# Altium PCB HACK_LINK_V1_new_power.PcbDoc (part 1 of 6) (continued)
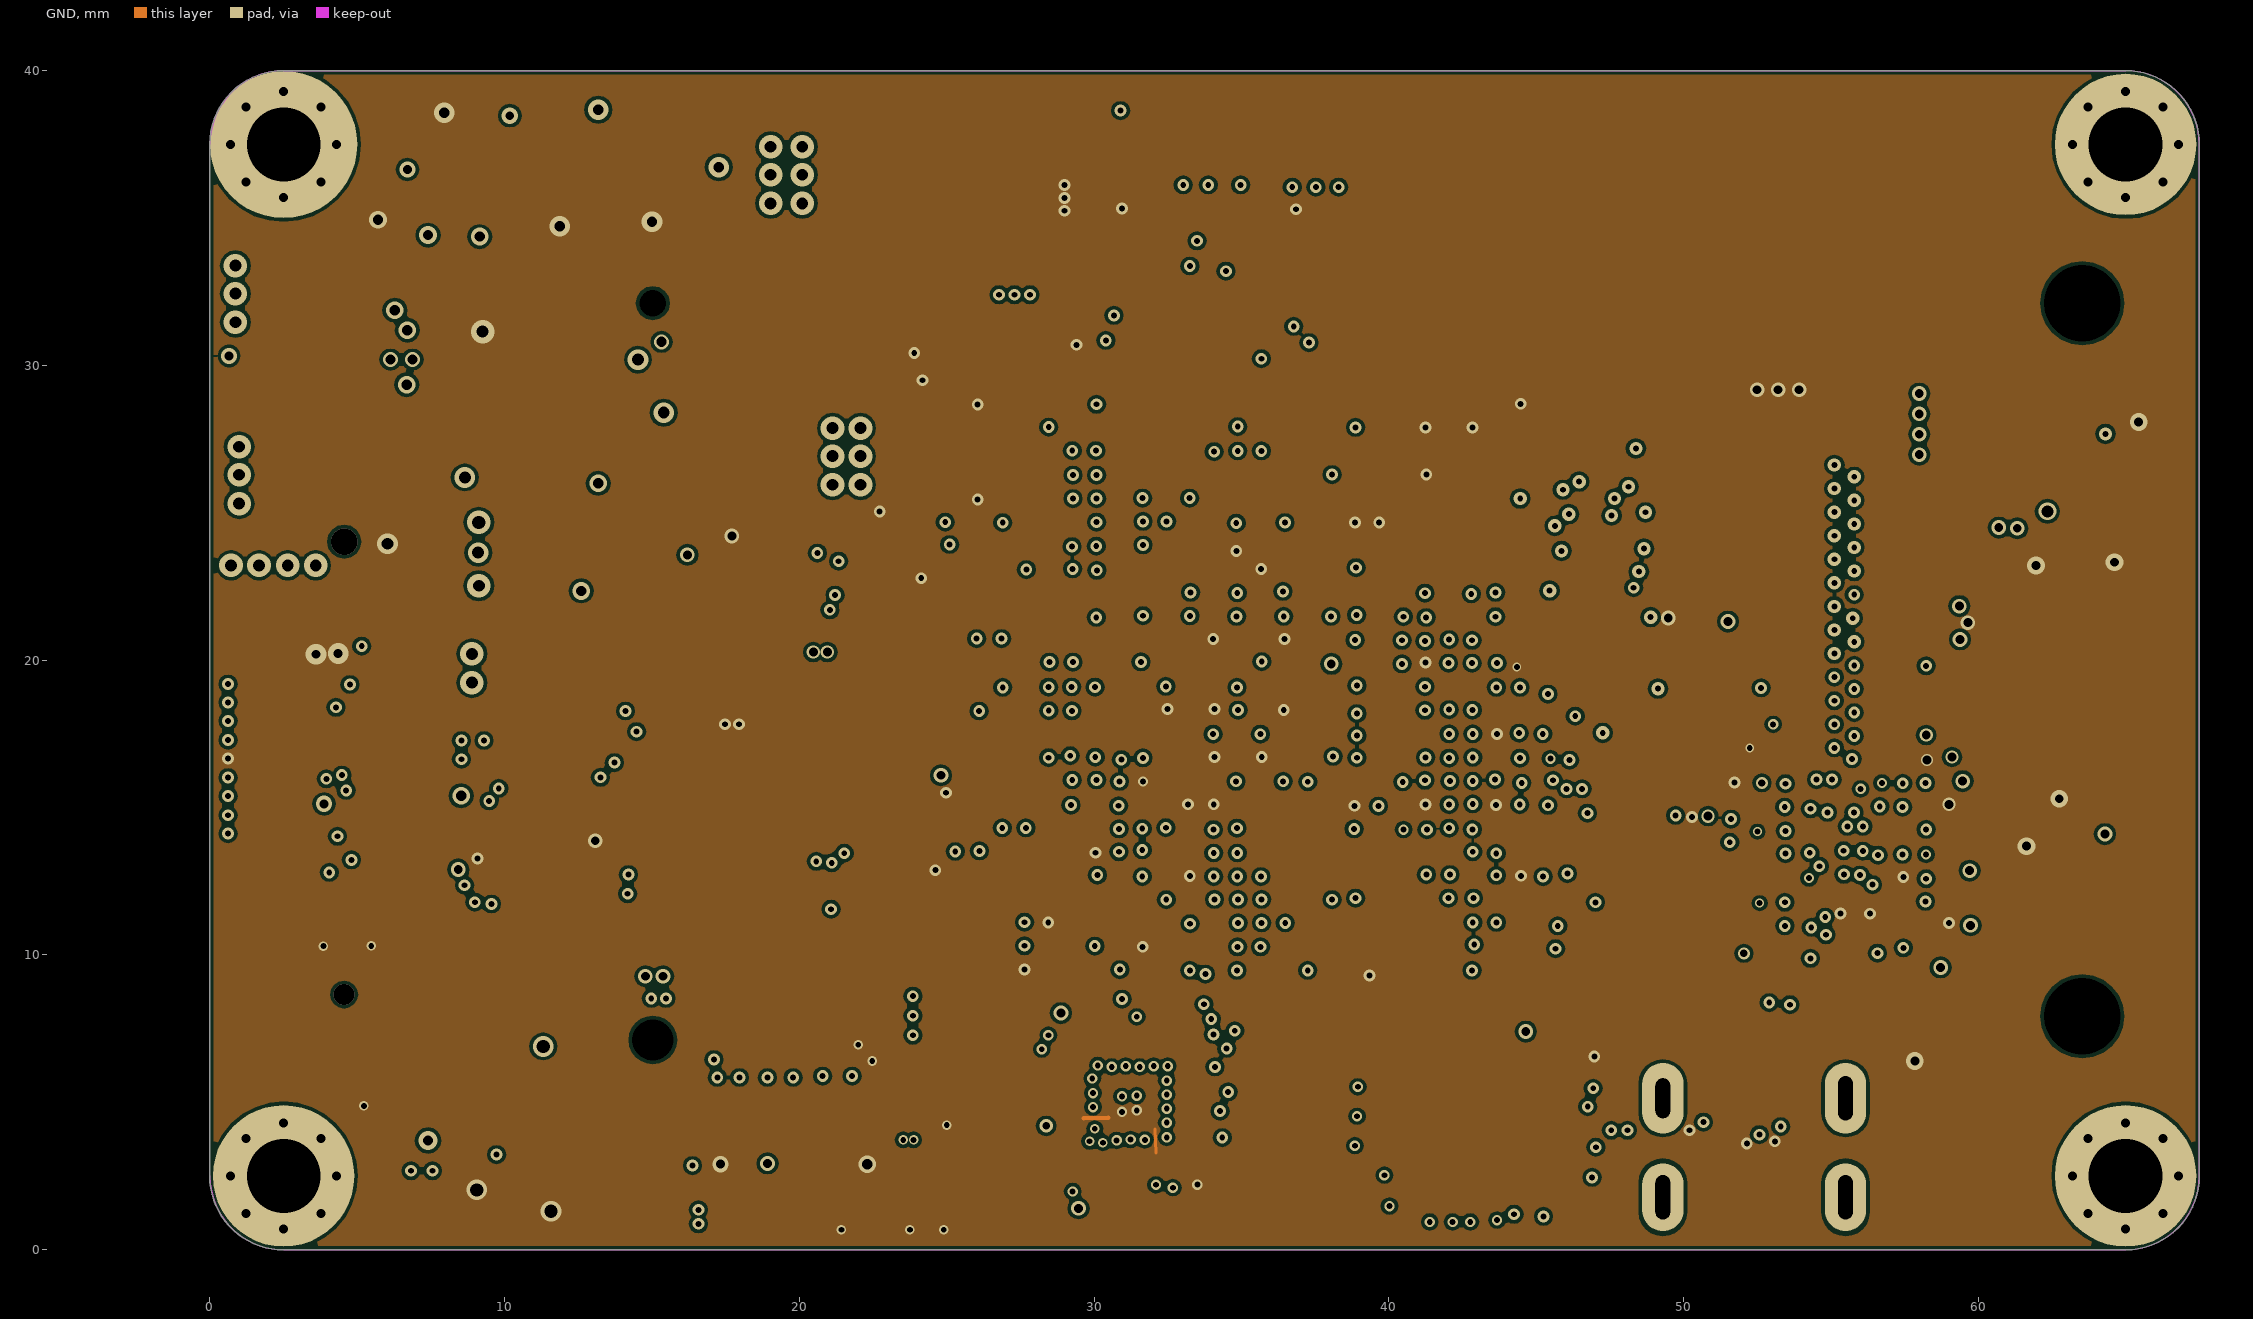
[diagram p4: GND]
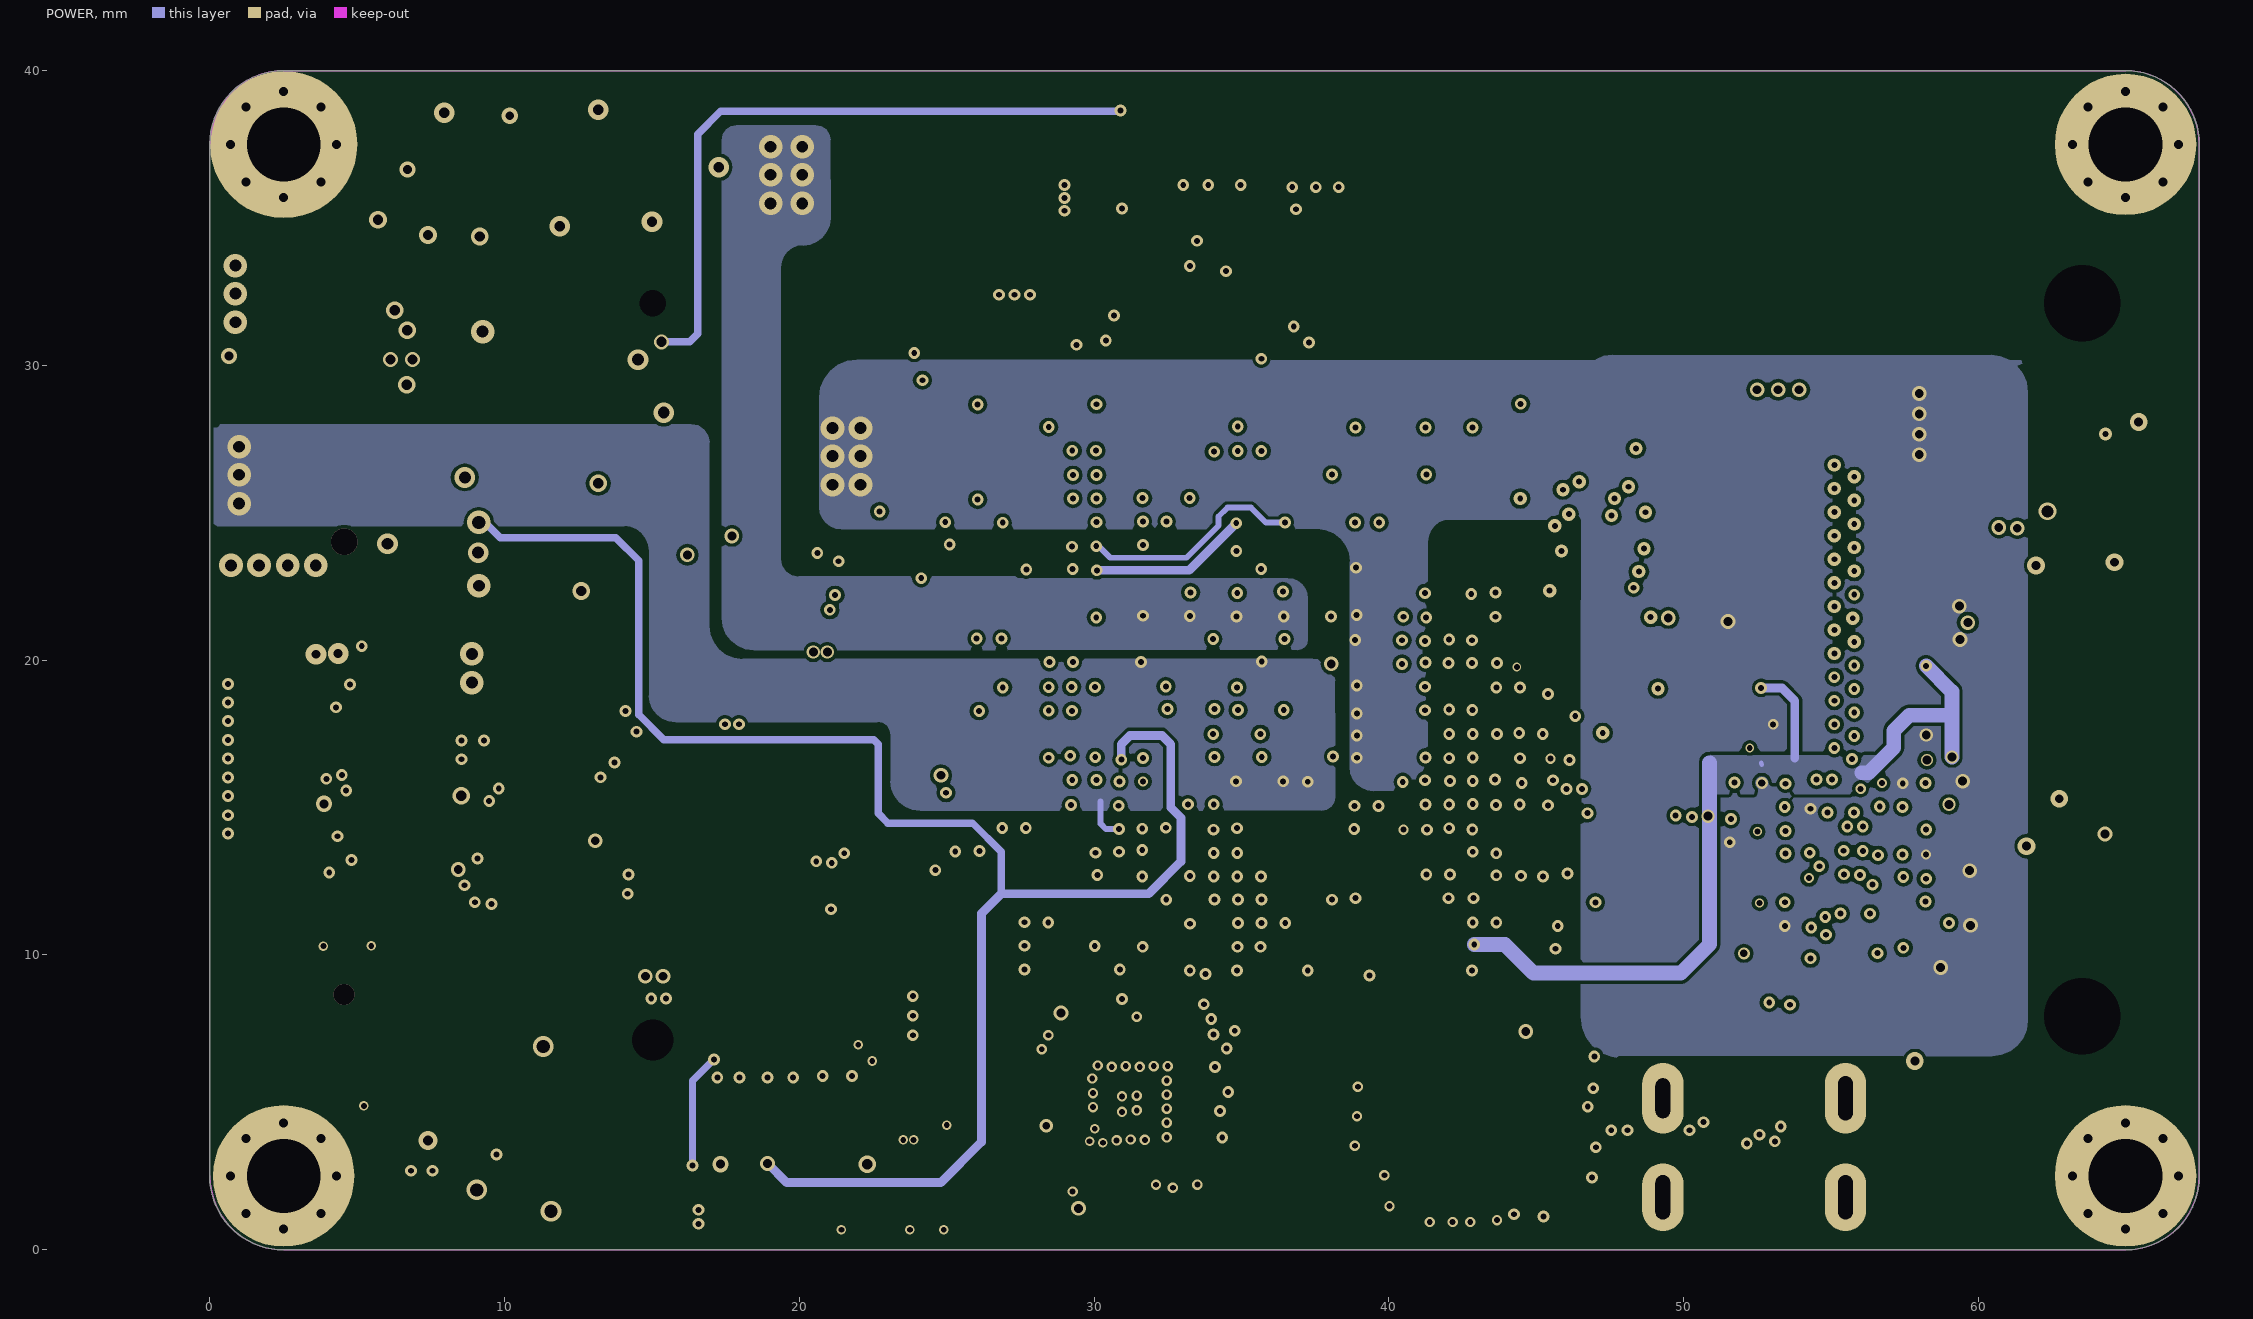
[diagram p5: POWER]
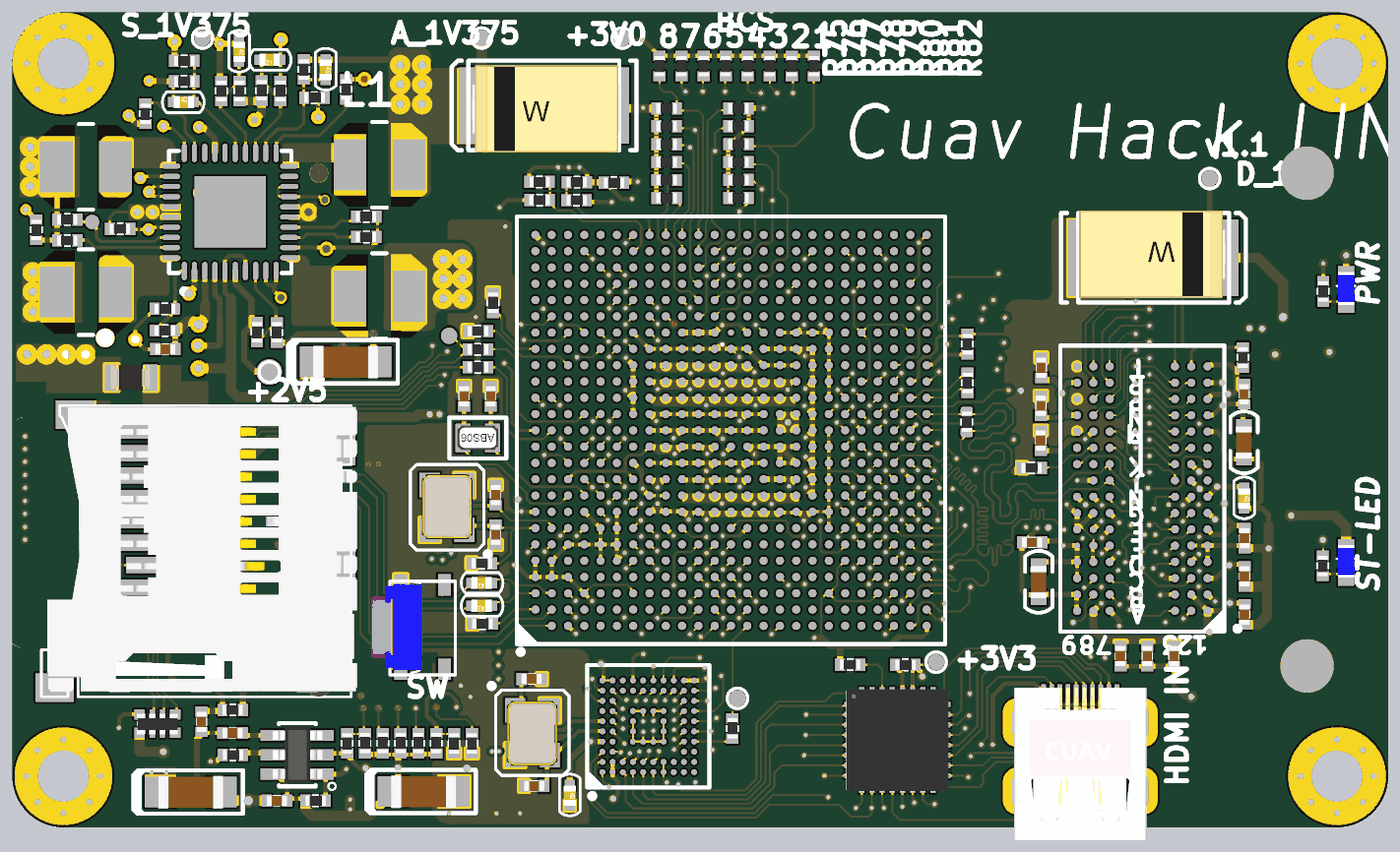
[diagram p11: 3D render of the assembled board from above, using the file's embedded part models]
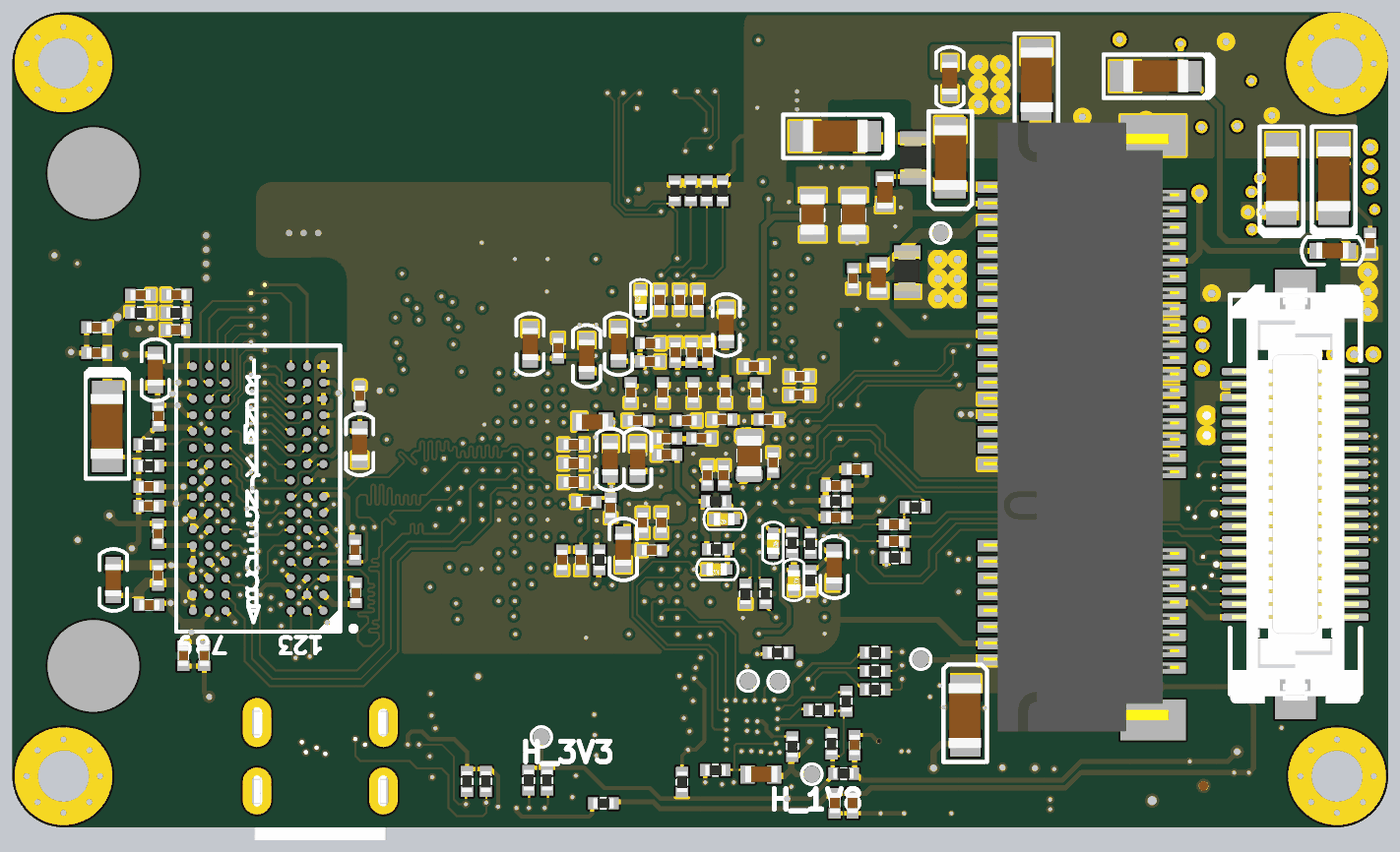
[diagram p12: 3D render of the assembled board from below, using the file's embedded part models]

## Layer stack, top to bottom
L1: signal copper 0.0356
Dielectric: core 0.32, FR-4, Dk 4.8
L2: signal copper 0.0356
Dielectric: prepreg 0.32, FR-4, Dk 4.8
L3: signal copper 0.0356
Dielectric: core 0.32, FR-4, Dk 4.8
GND: signal copper 0.0356
Dielectric: prepreg 0.32, FR-4, Dk 4.8
POWER: signal copper 0.0356
Dielectric: core 0.32, FR-4, Dk 4.8
L6: signal copper 0.0356

## Board outline
2.5,-0.007 cw(c2.5,2.5) -0.007,2.5 -0.007,37.5 cw(c2.5,37.5) 2.5,40.007 65,40.007 cw(c65,37.5) 67.507,37.5 67.507,2.5 cw(c65,2.5) 65,-0.007

## Design rules (kind name [scope] priority, off if disabled: settings)
Clearance [All] p1: gap=0.115
DiffPairsRouting [All] p1: maxlimit=0.254 minlimit=0.254 mostfreqgap=0.254 maxuncoupledlength=12.7
PlaneConnect PlaneConnect_2 [OnLayer('L2')] p1: planeconnectstyle=Direct reliefexpansion=0.508 reliefentries=4 reliefconductorwidth=0.254 reliefairgap=0.254
PlaneConnect [OnLayer('Multi-Layer')] p2: planeconnectstyle=Direct reliefexpansion=0.508 reliefentries=4 reliefconductorwidth=0.254 reliefairgap=0.254
PlaneConnect PlaneConnect_1 [All] p3: planeconnectstyle=Relief reliefexpansion=0.508 reliefentries=4 reliefconductorwidth=0.254 reliefairgap=0.254
PolygonConnect GND [OnLayer('Multi-Layer')] p1: connectstyle=Direct reliefconductorwidth=0.254 reliefentries=4 polygonreliefangle="90 Angle"
PolygonConnect L2 [OnLayer('L2')] p2: connectstyle=Direct reliefconductorwidth=0.254 reliefentries=4 polygonreliefangle="90 Angle"
PolygonConnect [OnLayer('Multi-Layer')] p3: connectstyle=Relief reliefconductorwidth=0.254 reliefentries=4 polygonreliefangle="90 Angle"
PolygonConnect PolygonConnect_1 [All] p4: connectstyle=Direct reliefconductorwidth=0.254 reliefentries=4 polygonreliefangle="90 Angle"
RoomDefinition "[05] - CPU - PCIE" [InComponentClass('[05] - CPU - PCIE')] p1: confinementstyle=ConfineIn formatcopy=TRUE lockcomponents=FALSE outline 0,-0.075 67.8,-0.075 67.8,40 0,40
RoomDefinition "[11] - CPU - POWER" [InComponentClass('[11] - CPU - POWER')] p2: confinementstyle=ConfineIn formatcopy=TRUE lockcomponents=FALSE outline -0.075,-0.075 67.85,-0.075 67.85,40.034 -0.075,40.034
RoomDefinition LTC3676 [InComponentClass('LTC3676')] p3: confinementstyle=ConfineOut formatcopy=TRUE lockcomponents=FALSE outline -0.025,19.725 20.85,19.725 20.85,39.725 -0.025,39.725
RoomDefinition "[2] - BOOT-Select" [InComponentClass('[2] - BOOT-Select')] p4: confinementstyle=ConfineOut formatcopy=TRUE lockcomponents=FALSE outline 71.147,1.417 87.722,1.417 87.722,5.918 71.147,5.918
RoomDefinition "[17] - HDMI_IN" [InComponentClass('[17] - HDMI_IN')] p5: confinementstyle=ConfineIn formatcopy=TRUE lockcomponents=FALSE outline 23.572,10.019 52.95,10.019 52.95,-0.1 23.572,-0.1
RoomDefinition "[10] - CPU - JTAG, CONTROL" [InComponentClass('[10] - CPU - JTAG, CONTROL')] p6: confinementstyle=ConfineIn formatcopy=TRUE lockcomponents=FALSE outline 71.147,1.417 93.573,1.417 93.573,3.325 71.147,3.325
RoomDefinition "[08] - CPU TF_CARD,USB OTG" [InComponentClass('[08] - CPU TF_CARD,USB OTG')] p7: confinementstyle=ConfineIn formatcopy=TRUE lockcomponents=FALSE outline -0.075,0.075 67.9,0.075 67.9,40 -0.075,40
RoomDefinition IMX6_DDR3 [InComponentClass('IMX6_DDR3')] p8: confinementstyle=ConfineOut formatcopy=TRUE lockcomponents=FALSE outline 0,-0.075 67.85,-0.075 67.85,40.009 0,40.009
RoutingVias [All] p1: holewidth=0.711 width=1.27 viastyle="Through Hole" minholewidth=0.711 minwidth=1.27 maxholewidth=0.711 maxwidth=1.27
SilkscreenOverComponentPads [IsPad] p1: minsilkscreentomaskgap=0.254
SolderMaskExpansion [All] p1: expansion=0.102
Width [All] p1: maxlimit=0.5 minlimit=0.1 preferedwidth=0.2 toplayer_prefwidth=0.1 midlayer1_prefwidth=0.1 midlayer2_prefwidth=0.1 bottomlayer_prefwidth=0.1 minimp=50.000000 maximp=50.000000 favimp=50.000000
25 further rules are at their usual default settings.

## Classes and differential pairs
net class DRAM_D[63..0]: DRAM_D0 DRAM_D1 DRAM_D2 DRAM_D3 DRAM_D4 DRAM_D5 DRAM_D6 DRAM_D7 DRAM_D8 DRAM_D9 DRAM_D10 DRAM_D11 DRAM_D12 DRAM_D13 DRAM_D14 DRAM_D15 DRAM_D16 DRAM_D17 DRAM_D18 DRAM_D19 DRAM_D20 DRAM_D21 DRAM_D22 DRAM_D23 DRAM_D24 DRAM_D25 DRAM_D26 DRAM_D27 DRAM_D28 DRAM_D29 DRAM_D30 DRAM_D31 DRAM_D32 DRAM_D33 DRAM_D34 DRAM_D35 DRAM_D36 DRAM_D37 DRAM_D38 DRAM_D39 DRAM_D40 DRAM_D41 DRAM_D42 DRAM_D43 DRAM_D44 DRAM_D45 DRAM_D46 DRAM_D47 DRAM_D48 DRAM_D49 DRAM_D50 DRAM_D51 DRAM_D52 DRAM_D53 DRAM_D54 DRAM_D55 DRAM_D56 DRAM_D57 DRAM_D58 DRAM_D59 DRAM_D60 DRAM_D61 DRAM_D62 DRAM_D63
component class LTC3676: +2V5 +3V0 +3V3 A_1V375 C1 C2 C3 C4 C5 C6 C7 C8 C9 C10 C11 C12 c13 C14 D_1V5 L1 L2 L3 L4 R1 R2 R3 R4 R5 R6 R7 R8 R9 R10 R11 R12 R13 R14 R15 R16 R17 R18 R19 R20 S_1V375 U1
component class "[08] - CPU TF_CARD,USB OTG": *1 c57 C58 C59 R35 R36 R37 R38 R39 R40 R41 "TF CARD1"
net class UART2: UART2_CTS UART2_RTS UART2_RXD UART2_TXD
net class UART1: UART1_CTS UART1_DCD UART1_DSR UART1_DTR UART1_RI UART1_RTS UART1_RXD UART1_TXD
component class "[2] - BOOT-Select": R75 R76 R77 R78 R79 R80 R81 R82 R83 R84 R85 R86 R87 R88 R89 R90 R91 R92 R93 R94 R95 R96 R97 R98 R99 R100 R101 R102 R103 R104 SW2 SW4
component class "[11] - CPU - POWER": C69 C70 C71 C72 C73 C74 C75 C76 C77 C78 C79 C80 C81 C82 C83 C84 C85 C86 C87 C88 C89 C90 C91 C92 C93 C94 C95 C96 C97 C98 C99 C100 C101 C103 C104 C105 C106 C107 C108 C109 C110 C111 C112 C113 C114 C115 C116 C117 C118 C119 C120 C121 C122 C123 C124 C125 C126 C127 C128 C129 C130 C131 C132 C137 C150 C157 C158 C159 C160 C161 C169 C170 C171 FB2 R55 R56 R57
net class USB1: USB1_N USB1_P
net class USB0: USB0_ID USB0_N USB0_P USB0_PWR_EN USB_OC
net class SD_CARD: SD3_CD SD3_CLK SD3_CLK_R SD3_CMD SD3_CMD_R SD3_DATA0 SD3_DATA1 SD3_DATA2 SD3_DATA3 SD3_WP
net class PCIE: CLK1_C_N CLK1_C_P CLK1_N CLK1_P PCIE_C_TX_N PCIE_C_TX_P PCIE_RX_N PCIE_RX_P PCIE_TX_N PCIE_TX_P PCIE_WAKE
net class DRAM_SDCLK: DRAM_CLK0_N DRAM_CLK0_P DRAM_CLK1_N DRAM_CLK1_P
net class DRAM_OTHERS: ZQPAD
net class DRAM_BANK3: DRAM_D24 DRAM_D25 DRAM_D26 DRAM_D27 DRAM_D28 DRAM_D29 DRAM_D30 DRAM_D31 DRAM_DQM3 DRAM_DQS3_N DRAM_DQS3_P
net class DRAM_BANK2: DRAM_D16 DRAM_D17 DRAM_D18 DRAM_D19 DRAM_D20 DRAM_D21 DRAM_D22 DRAM_D23 DRAM_DQM2 DRAM_DQS2_N DRAM_DQS2_P
net class DRAM_BANK1: DRAM_D8 DRAM_D9 DRAM_D10 DRAM_D11 DRAM_D12 DRAM_D13 DRAM_D14 DRAM_D15 DRAM_DQM1 DRAM_DQS1_N DRAM_DQS1_P
net class DRAM_BANK0: DRAM_D0 DRAM_D1 DRAM_D2 DRAM_D3 DRAM_D4 DRAM_D5 DRAM_D6 DRAM_D7 DRAM_DQM0 DRAM_DQS0_N DRAM_DQS0_P
net class DRAM_ADDR_CTRL: DRAM_A0 DRAM_A1 DRAM_A2 DRAM_A3 DRAM_A4 DRAM_A5 DRAM_A6 DRAM_A7 DRAM_A8 DRAM_A9 DRAM_A10 DRAM_A11 DRAM_A12 DRAM_A13 DRAM_A14 DRAM_A15 DRAM_CAS_B DRAM_CS0_B DRAM_RAS_B DRAM_RESET_B DRAM_SDBA0 DRAM_SDBA1 DRAM_SDBA2 DRAM_SDCKE0 DRAM_SDODT0 DRAM_WE_B
net class DRAM_A[15..0]: DRAM_A0 DRAM_A1 DRAM_A2 DRAM_A3 DRAM_A4 DRAM_A5 DRAM_A6 DRAM_A7 DRAM_A8 DRAM_A9 DRAM_A10 DRAM_A11 DRAM_A12 DRAM_A13 DRAM_A14 DRAM_A15
net class DIFF100: CLK1_C_N CLK1_C_P CLK1_N CLK1_P DRAM_CLK0_N DRAM_CLK0_P DRAM_CLK1_N DRAM_CLK1_P DRAM_DQS0_N DRAM_DQS0_P DRAM_DQS1_N DRAM_DQS1_P DRAM_DQS2_N DRAM_DQS2_P DRAM_DQS3_N DRAM_DQS3_P
net class DIFF90: PCIE_C_TX_N PCIE_C_TX_P PCIE_RX_N PCIE_RX_P PCIE_TX_N PCIE_TX_P USB0_N USB0_P USB1_N USB1_P
component class IMX6_DDR3: C15 C16 C17 C18 C19 C20 C21 C22 C23 C24 C25 C26 C27 C28 C29 C30 C31 C32 C33 C34 C35 C36 C37 C38 C39 C40 R21 R22 R23 R24 R25 R26 R27 R28 R29 U3 U4
component class "[05] - CPU - PCIE": C41 C42 C43 C44 C45 C46 C47 C48 C49 C50 C52 C53 C54 C55 C56 FB1 J1 R30 R31 R32 R33 R34 SH1 SH2 TP1 TP13 TP_PCI_E_VCC1
component class "[17] - HDMI_IN": 2 C133 C134 C135 H_1V8 "HDMI IN1" R58 R59 R60 R61 R62 R63 R64 R65 R66 R67 R68 R69 R70 R71 R72 R73 R74 R105 R106 TP3 TP4 TP5 TP6 U2 u6 u8
component class "[10] - CPU - JTAG, CONTROL": 1 C60 C61 C62 C63 C64 C65 C66 C67 C68 con1 D1 D2 F1 R42 R43 R44 R45 R46 R47 R48 R49 R50 R51 R52 R53 R54 R111 R137 R161 U2 U5 Y1
net class JTAG: JTAG_TDO_R
differential pair PCIE_TX: +PCIE_TX_P -PCIE_TX_N
differential pair PCIE_RX: +PCIE_RX_P -PCIE_RX_N
differential pair USB1: +USB1_P -USB1_N
differential pair USB0: +USB0_P -USB0_N
differential pair PCIE_C_TX: +PCIE_C_TX_P -PCIE_C_TX_N
differential pair DRAM_DQS3: +DRAM_DQS3_P -DRAM_DQS3_N
differential pair DRAM_DQS2: +DRAM_DQS2_P -DRAM_DQS2_N
differential pair DRAM_DQS1: +DRAM_DQS1_P -DRAM_DQS1_N
differential pair DRAM_DQS0: +DRAM_DQS0_P -DRAM_DQS0_N
differential pair DRAM_CLK1: +DRAM_CLK1_P -DRAM_CLK1_N
differential pair DRAM_CLK0: +DRAM_CLK0_P -DRAM_CLK0_N
differential pair CLK1: +CLK1_P -CLK1_N
differential pair CLK1_C: +CLK1_C_P -CLK1_C_N

## Components (designator, comment, footprint, x,y, rotation, side; value= is the part's Value field where it differs from the comment)
1 "TSX-3225" TSX-3225 21.41,15.734 r270 top
2 "28.63636 MHz" TSX-3225 25.425,4.6 r90 top
*1 "100k" 0402_4R 7.085,5.059 r0 top
+2V5 "" C035S#1 12.6,22.35 r90 top
+3V0 "" C035S#2 29.925,38.75 r90 top
+3V3 "" C035S#2 45.325,8.1 r90 top
A_1V375 "" C035S#2 23.025,38.75 r90 top
C1 "22UF" C1206A 2.666,30.34 r90 bottom
C2 "22UF" C1206A 14.85,22.85 r0 top
C3 "22UF" C1206A 7.25,1.725 r0 top
C4 "22UF" 7343CAP#1 25.7,35.525 r0 top
C5 "10PF" C0402 15.37,37.714 r270 top
C6 "22UF" C1206A 9.9,36.875 r0 bottom
C7 "10PF" C0402 11.125,38.6 r270 top
C8 "10PF" C0402 7.884,35.597 r0 top
C9 "22UF" C1206A 25.625,33.925 r0 bottom
C10 "10PF" C0402 13.142,37.679 r180 top
C11 "22UF" C1206A 62.85,21.175 r270 bottom
C12 "22UF" C1206A 18.675,1.75 r0 top
c13 "1uf" C0402 27.35,2.075 r270 top
C14 "1uf" C0402 36.675,25.375 r90 bottom
C15 "220n" 0402CAP 50.46,18.984 r270 top
C16 "220n" 0402CAP 59.485,24.416 r0 bottom
C17 "220n" 0402CAP 50.691,13.615 r90 bottom
C18 "220n" 0402CAP 60.816,16.715 r180 bottom
C19 "100n" C0402 60.441,16.665 r270 top
C20 "100n" 0402CAP 61.216,26.135 r0 bottom
C21 "10u" C0603 42.1,22.95 r90 bottom
C22 "47UF 16V" 7343CAP#2 56.375,27.875 r180 top
C23 "22u" C0603 60.493,21.688 r90 bottom
C24 "22u" C0603 50.46,19.559 r270 bottom
C25 "22u" C0603 50.36,12.809 r270 top
C26 "100n" 0402CAP 59.45,26.15 r0 bottom
C27 "220n" 0402cap#1 50.46,21.184 r270 bottom
C28 "220n" 0402CAP 60.791,10.915 r180 bottom
C29 "220n" 0402CAP 60.816,15.765 r180 bottom
C30 "220n" 0402CAP 60.341,20.19 r90 bottom
C31 "220n" 0402CAP 60.36,14.409 r270 bottom
C32 "220n" 0402CAP 50.035,13.984 r0 top
C33 "220n" 0402CAP 60.36,12.359 r90 bottom
C34 "220n" 0402CAP 60.435,21.259 r270 top
C35 "220n" 0402CAP 50.466,20.69 r270 top
C36 "220n" 0402CAP 60.466,14.19 r90 top
C37 "220n" 0402CAP 60.466,10.44 r90 top
C38 "220n" 0402CAP 60.466,12.315 r90 top
C39 "220n" 0402CAP 40.725,23.525 r270 bottom
C40 "220n" 0402CAP 50.485,22.559 r270 top
C41 "220n" C0402 32.419,12.654 r0 bottom
C42 "4u7" 0603c 39.1,19.925 r180 bottom
C43 "220n" C0402 32.05,15.125 r0 bottom
C44 "100n" C0402 23.541,10.865 r180 top
C45 "4u7" C0402 29.164,12.639 r270 bottom
C46 "220n" C0402 30.175,14.45 r270 bottom
C47 "100n" C0402 23.541,11.99 r180 top
C48 "100n" 0402cap#2 24.241,14.04 r0 bottom
C49 "100n" 0402cap#2 24.241,14.865 r0 bottom
C50 "4.7UF" 0603c 24.7,31.125 r90 bottom
C52 "100uF" 1206_CC 20.85,5.5 r0 bottom
C53 "100uF" 1206_CC 17.15,36.675 r180 bottom
C54 "4.7UF" 0603c 25.025,26.925 r90 bottom
C55 "0.1UF" 0402cap#2 26.25,26.95 r90 bottom
C56 "100uF" 1206_CC 21.375,32.85 r180 bottom
c57 "10uf" 0402cap#2 26.075,17.575 r180 bottom
C58 "220N" 0402cap#2 27.091,16.765 r180 bottom
C59 "220N" 0402cap#2 9.275,5.175 r270 top
C60 "18p" 0402cap#2 23.71,16.309 r270 top
C61 "18p" 0402cap#2 23.71,14.359 r90 top
C62 "18p" 0402cap#2 23.468,21.16 r270 top
C63 "18p" 0402cap#2 22.157,21.16 r270 top
C64 "100n" 0402CAP 27.15,1.175 r90 bottom
C65 "100n" 0402CAP 26.275,1.175 r90 bottom
C66 "10uF" C1206A 5.225,30.34 r90 bottom
C67 "100n" 0402cap#2 12.975,1.3 r0 top
C68 "100n" 0402cap#2 10.8,4.625 r0 top
C69 "220n" 0402cap#2 32.666,20.015 r180 bottom
C70 "220n" 0402cap#2 30.391,20.015 r0 bottom
C71 "220n" 0402cap#2 36.816,19.965 r180 bottom
C72 "220n" 0402cap#2 34.416,19.965 r0 bottom
C73 "22u" C0603 37.525,14.4 r270 bottom
C74 "220n" 0402cap#2 33.691,19.09 r0 bottom
C75 "220n" 0402cap#2 35.391,19.09 r180 bottom
C76 "220n" 0402cap#2 33.4,17.275 r270 bottom
C77 "22u" C0603 36.825,17.3 r90 bottom
C78 "220n" 0402cap#2 35.65,14.95 r90 bottom
C79 "220n" 0402cap#2 36.575,14.95 r90 bottom
C80 "220n" 0402cap#2 0.875,28.675 r270 bottom
C81 "22u" C0603 1.95,28.3 r0 bottom
C82 "220n" 0402cap#2 35.391,18.29 r180 bottom
C83 "220n" 0402cap#2 39.6,13.119 r90 bottom
C84 "220n" 0402cap#2 39.35,15.975 r180 bottom
C85 "220n" 0402cap#2 38.15,15.675 r90 bottom
C86 "22u" C0603 38.175,17.3 r90 bottom
C87 "220n" 0402cap#2 31.016,21.34 r90 bottom
C88 "220n" 0402cap#2 35.591,21.34 r90 bottom
C89 "220n" 0402cap#2 34.091,21.34 r90 bottom
C90 "220n" 0402cap#2 32.516,21.34 r90 bottom
C91 "220n" 0402cap#2 37.166,21.34 r90 bottom
C92 "22u" C0603 21.5,37.55 r270 bottom
C93 "22u" C0603 32.475,23.9 r90 bottom
C94 "22u" C0603 39.325,22.375 r90 bottom
C95 "220n" 0402cap#2 36.216,22.865 r0 bottom
C96 "220n" 0402cap#2 34.975,23.308 r270 bottom
C97 "220n" 0402cap#2 36.21,23.759 r0 bottom
C98 "220n" 0402cap#2 34.175,23.308 r270 bottom
C99 "220n" 0402cap#2 33.375,23.308 r270 bottom
C100 "22u" C0603 37.76,22.959 r90 bottom
C101 "220n" 0402cap#2 7.5,23.475 r0 top
C103 "220n" 0402cap#2 40.525,13.119 r90 bottom
C104 "220n" 0402cap#2 32.6,17.275 r270 bottom